# Altium PCB EBS V1.0.PcbDoc (part 5 of 5)
Units mm, origin at the board's own origin, x right, y up, seen from the top; angles counter-clockwise.
Board outline 119.89 x 108.33 mm, 4 copper layers (Top Layer, Internal Plane 1, Internal Plane 2, Bottom Layer), stack 0.462 mm thick; 406 components, 278 nets, 1194 pads, 156 vias.
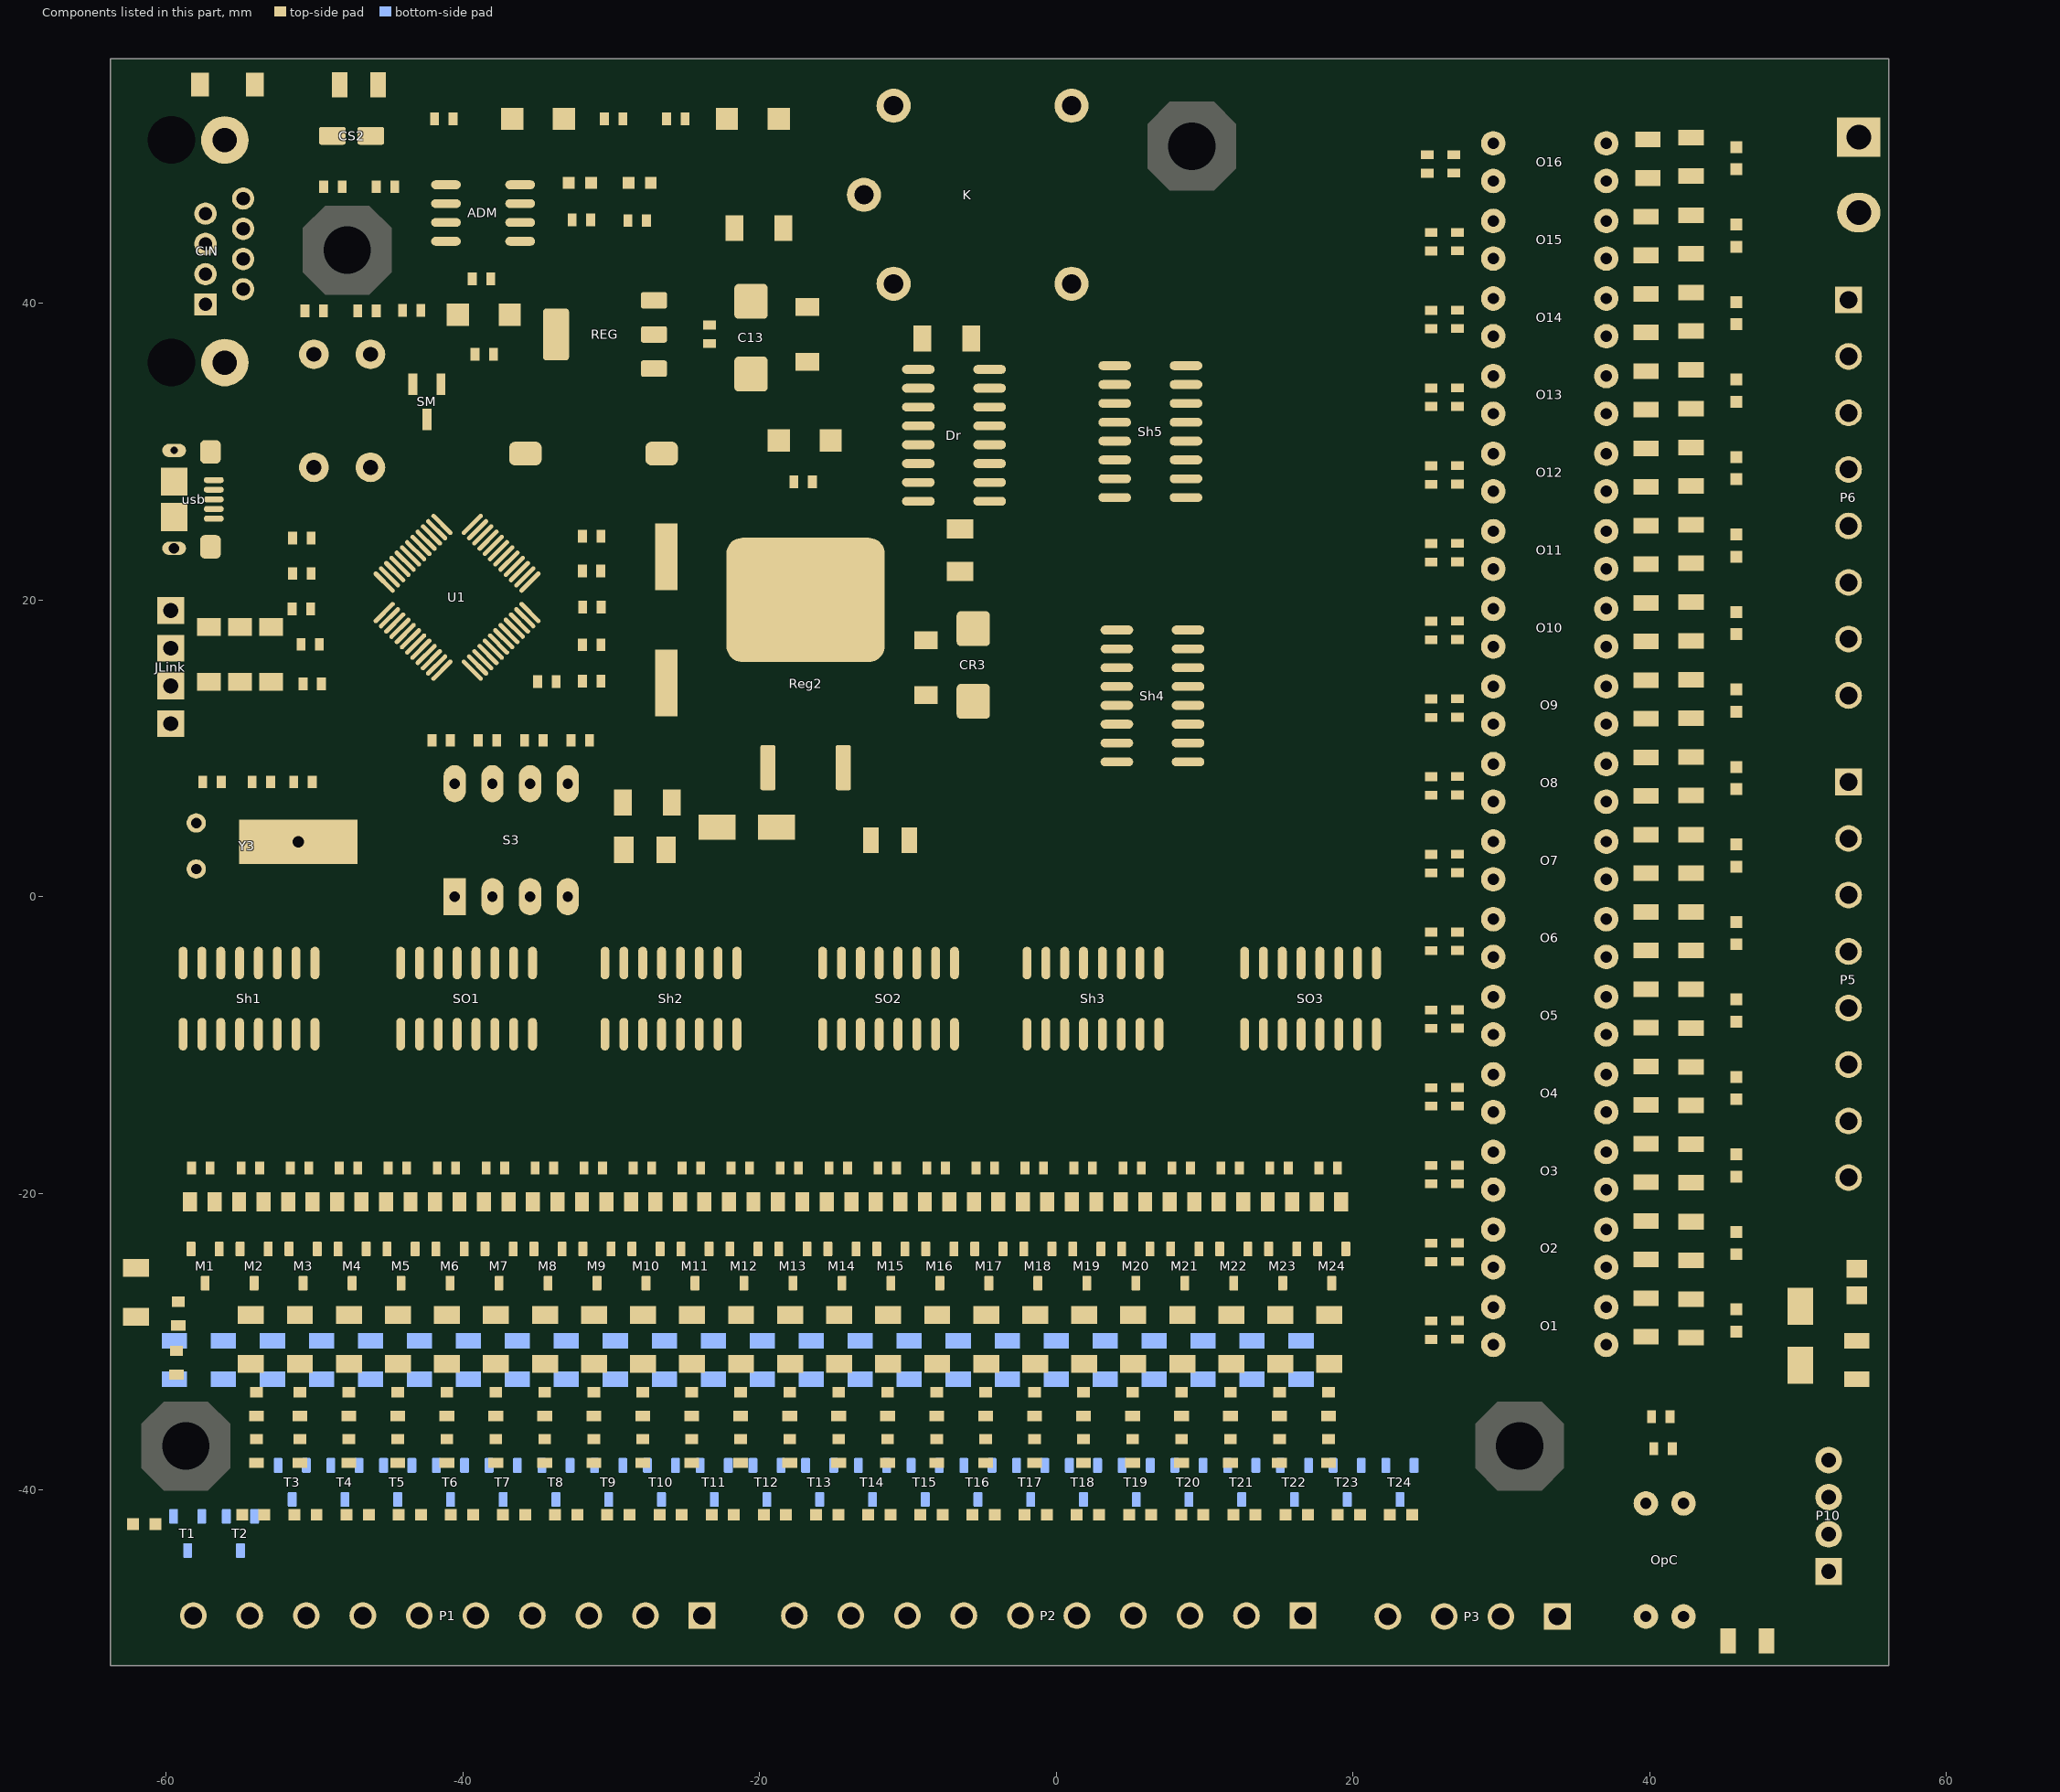
[diagram p7: the components of this part, seen from the top]

## Silkscreen, mask and mechanical layers (free items; w line width, h text height)
Top Overlay:
  drawing of 703 lines, arcs and shapes, not listed
  text "DN" at 48.641,39.878 h1.52
  text "UP" at 48.641,35.814 h1.52
  text "6" at 48.844,31.877 h1.52
  text "5" at 48.895,27.94 h1.52
  text "4" at 48.895,24.426 h1.52
  text "3" at 49.022,20.193 h1.52
  text "2" at 49.022,16.51 h1.52
  text "1" at 49.335,12.478 h1.52
  text "-" at 49.022,7.255 h1.52
  text "EBS" at -1.905,3.302 h3.81
  text "G" at 49.149,3.175 h1.52
  text "ID" at -45.56,3.048 h1.52
  text "V1.0D0206" at -9.525,0.254 h3.81
  text "F" at 49.149,-0.889 h1.52
  text "E" at 49.022,-4.469 h1.52
  text "D" at 49.022,-8.636 h1.52
  text "C" at 49.046,-12.162 h1.52
  text "B" at 49.149,-16.129 h1.52
  text "A" at 49.022,-19.939 h1.52
  text "24" at 46.101,-38.227 h1.52
  text "G" at 46.736,-41.148 h1.52
  text "Dr" at 46.101,-43.688 h1.52
  text "F11" at -19.511,-45.266 h1
  text "F12" at -15.32,-45.266 h1
  text "F13" at -11.383,-45.266 h1
  text "F14" at -7.537,-45.266 h1
  text "F15" at -3.89,-45.266 h1
  text "F16" at -0.08,-45.266 h1
  text "F17" at 3.921,-45.266 h1
  text "F18" at 7.725,-45.266 h1
  text "F19" at 11.604,-45.266 h1
  text "F20" at 15.327,-45.266 h1
  text "F21" at 20.828,-45.266 h1
  text "F22" at 24.892,-45.266 h1
  text "F23" at 28.702,-45.266 h1
  text "F24" at 32.591,-45.266 h1
  text "F1" at -59.69,-45.466 h1.2
  text "F2" at -55.245,-45.466 h1.2
  text "F3" at -51.448,-45.466 h1.2
  text "F4" at -47.739,-45.466 h1.2
  text "F5" at -43.908,-45.466 h1.2
  text "F6" at -39.906,-45.466 h1.2
  text "F7" at -36.281,-45.466 h1.2
  text "F8" at -32.531,-45.466 h1.2
  text "F9" at -28.514,-45.466 h1.2
  text "F10" at -24.875,-45.466 h1.2
  text "N" at 46.863,-46.863 h1.52

## Text inside footprints (layer, text, board x,y; h text height)
K: Top Overlay "NC" at -3.743,52.057 h1.5 r270; Top Overlay "NO" at -3.794,45.326 h1.5 r270; Top Overlay "COM" at -11.185,49.364 h1.5 r270